# Altium PCB PokeyMain.PcbDoc (part 2 of 3)
Units mm, origin at the board's own origin, x right, y up, seen from the top; angles counter-clockwise.
Board outline 172.97 x 119.13 mm, 2 copper layers (Top Layer, Bottom Layer); 249 components, 225 nets, 876 pads, 516 vias.
Unrouted connection lines stored in the file: 64.
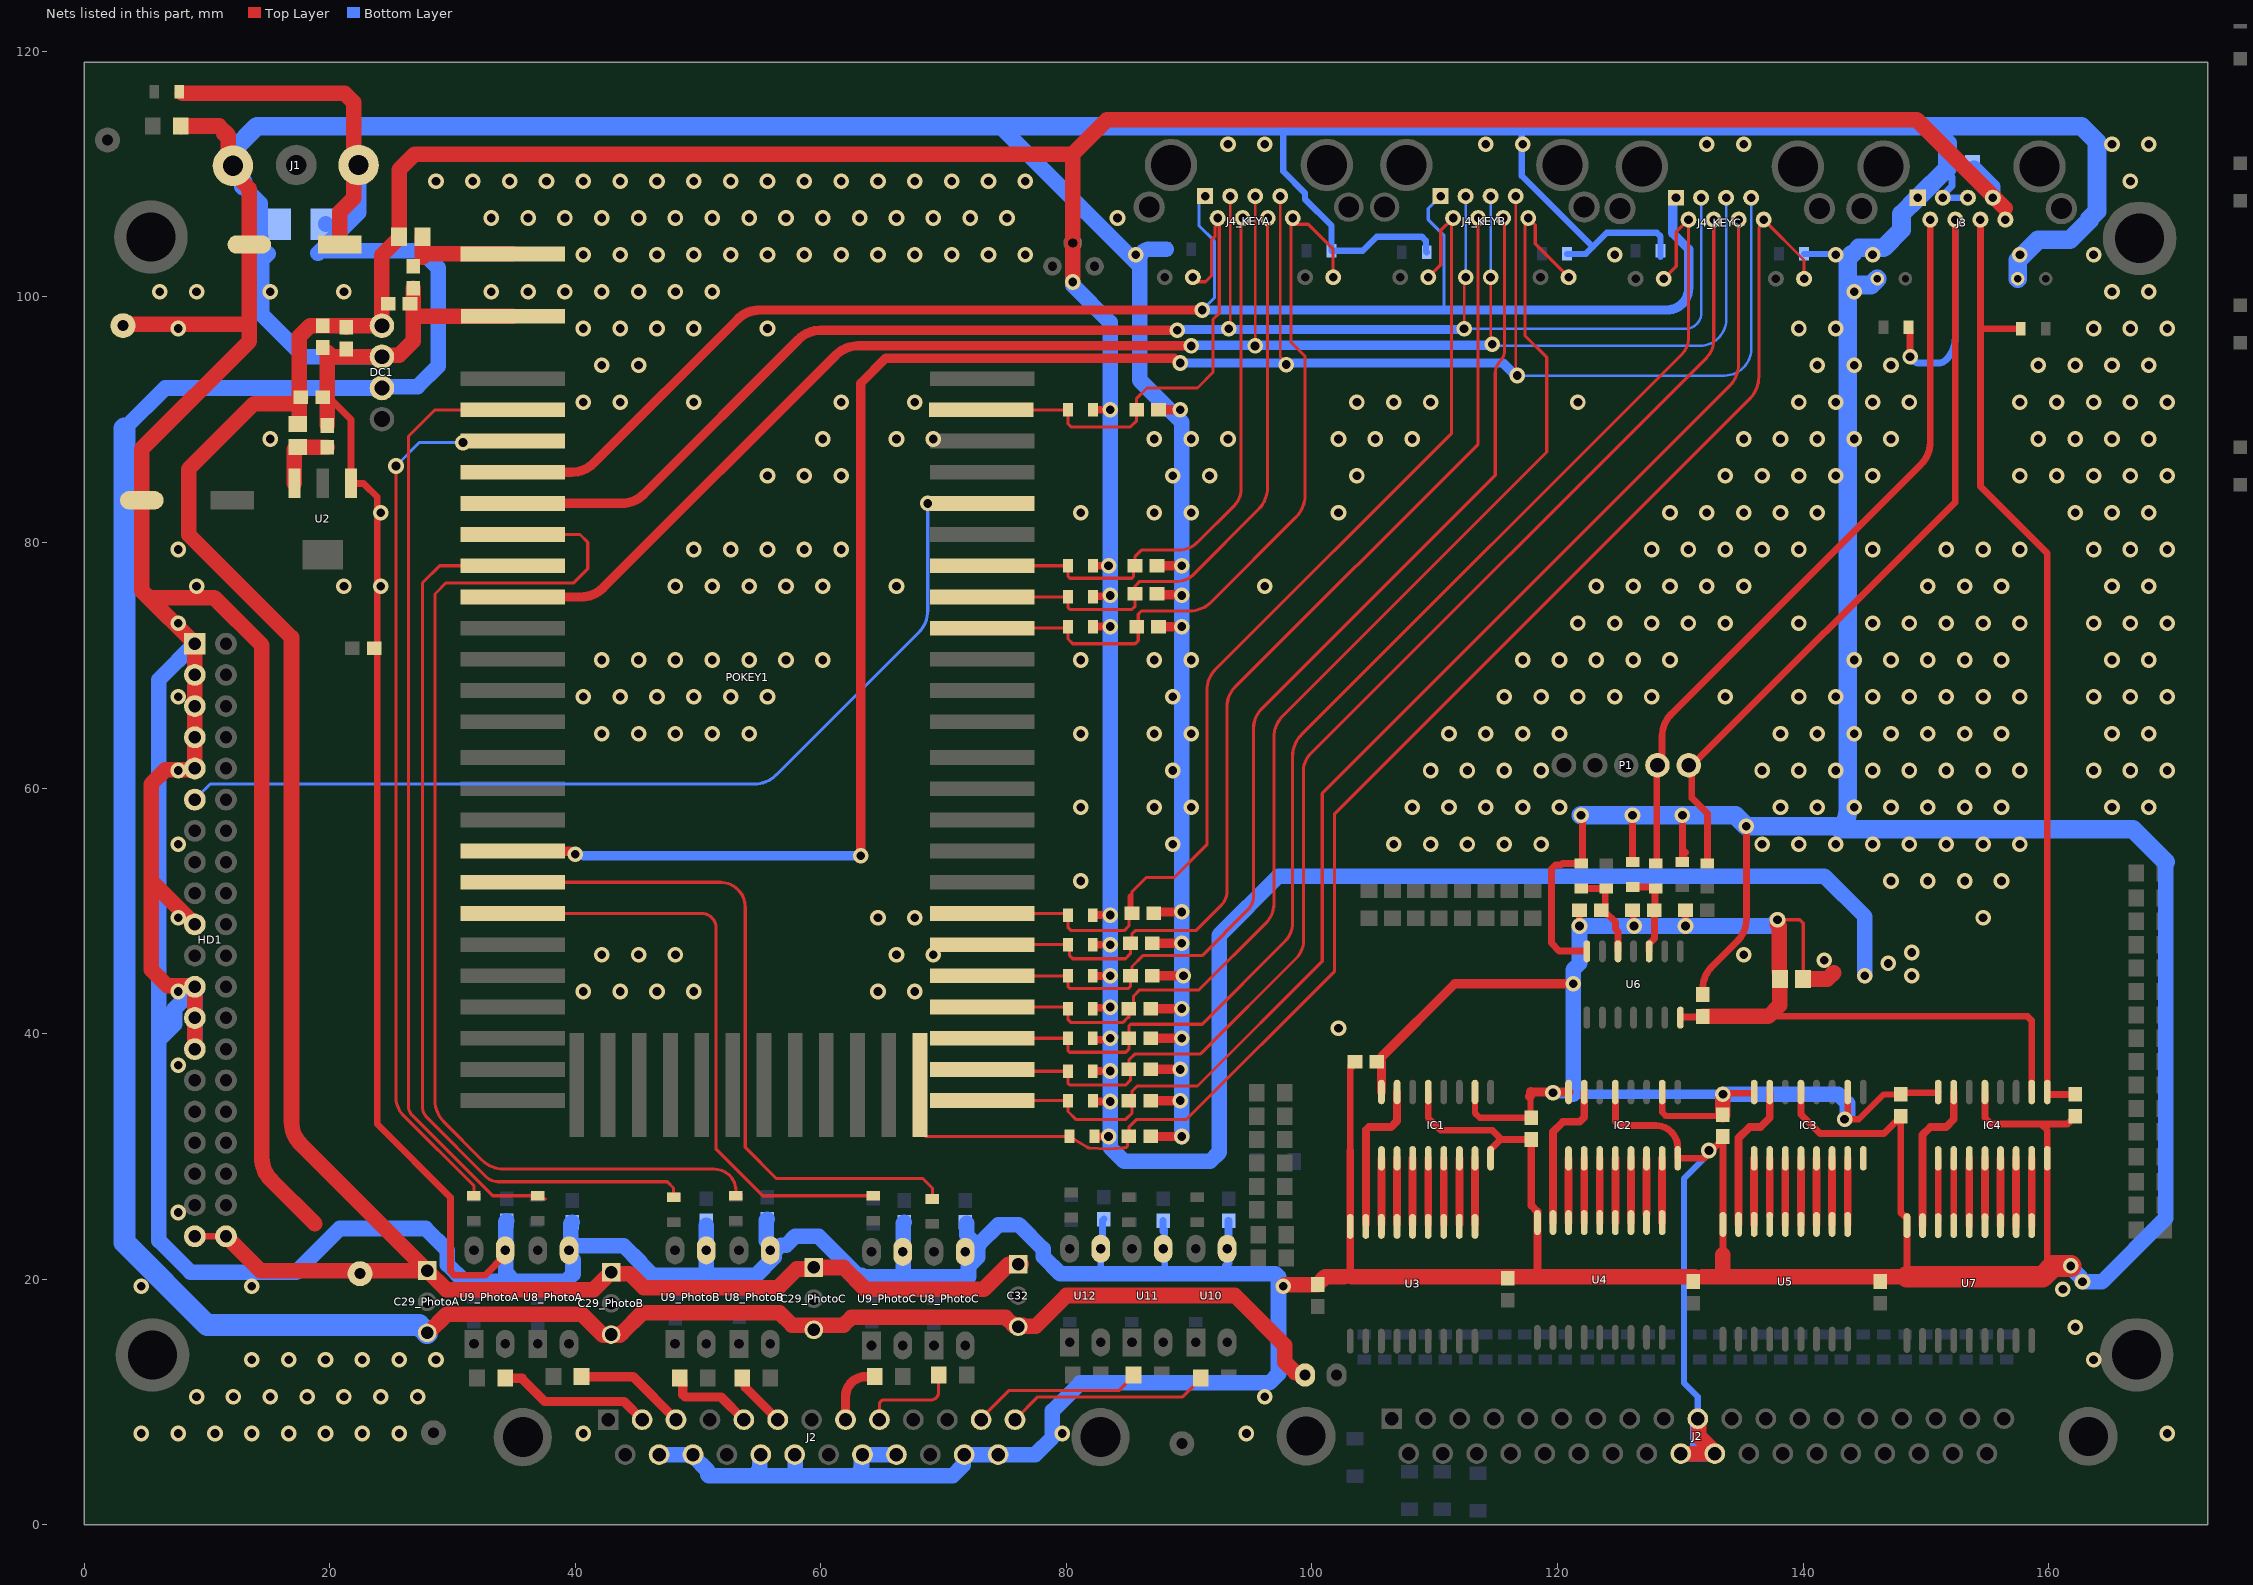
[diagram p2: the nets of this part, all layers, seen from the top]

## Part data
C3 C5: "Polarized Capacitor (Axial)", LatestRevisionDate=17-Jul-2002, LatestRevisionNote="Re-released for DXP Platform.", PackageReference=POLAR0.8, Published=8-Jun-2000, Publisher="Altium Limited"
C11 C12 C13 C14 C30_PhotoA C30_PhotoB C30_PhotoC C31_PhotoA C31_PhotoB C31_PhotoC C33: library part CN
C29_PhotoA C29_PhotoB C29_PhotoC C32: "WR-PHD 2.54 mm Angled Socket Header", Manufacturer="W¨¹rth Elektronik eiSos GmbH", partNo=613003143121, ComponentLink1 Description=Manufacturer, ComponentLink1URL=http://www.we-online.com, ComponentLink2 Description=Datasheet, ComponentLink2URL=http://katalog.we-online.de/em/datasheet/6130xx143121.pdf, Created by="Karrer Zheng", Created Date="29 March 2013", NoPins=03
D1 D2_Led[ D2_Led\ D2_Led] D2_Led^ D2_Led_ D2_Led` D2_LedA D2_LedB D2_LedC D2_LedD D2_LedE D2_LedF D2_LedG D2_LedH D2_LedI D2_LedJ D2_LedK D2_LedL D2_LedM D2_LedN D2_LedO D2_LedP D2_LedQ D2_LedR D2_LedS D2_LedT D2_LedU D2_LedV D2_LedW D2_LedX D2_LedY D2_LedZ: "Default Diode", Code - JEDEC=DO-214-AB, ComponentLink1Description="ES1J - STMBL", ComponentLink1URL=https://banlinhkien.vn/goods-8089-es1j-do214-diode-1a-600v-sma-es1j-.html, Published=8-Jun-2000, Publisher="Altium Limited", Revision="July-2002: Re-released for DXP Platform."
DC1: library part DC_Module_V2
F1 F2 F3: library part Ferrite
HD1: "IDC 13x2"
IC1 IC2 IC3 IC4: library part 74595, "8 Bit Serial input - Parallel Output"
J1: Manufacturer="Würth Elektronik eiSos GmbH", partNo=691103110003, ComponentLink1 Description=Manufacturer, ComponentLink1URL=http://www.we-online.com, ComponentLink2 Description=Datasheet, ComponentLink2URL=http://katalog.we-online.de/em/datasheet/6911031100xx.pdf, Created by="Karrer Zheng", Created Date="29 October 2013", NoPins=3
J2: library part DB25, "Receptacle Assembly, Size 3, 25 Position, Right Angle, .318 Series, Amplimite", PackageDocument=19-Mar-1999, ComponentAvailability=Obsolete, ComponentLink1Description="Manufacturer Link", ComponentLink1URL=http://www.tycoelectronics.com/, DatasheetDocument=19-Mar-1999, DrillSize="Corresponds to nominal value.", Gender=Receptacle, LatestRevisionDate=17-Jul-2002, LatestRevisionNote="Re-released for DXP Platform.", MatingConnector="4-40 Threaded Insert", Orientation="Right Angle", PackageReference=787202-4, PCB_Layout="Complies with manufacturer's recommendation.", Positions=25, Published=15-Jun-2001, Publisher="Altium Limited", ShellSize=3
J3 J4_KEYA J4_KEYB J4_KEYC: library part RJ45_8P8C, "Conn, Rj45 Jack, Shld, 1port, 8p8c, Cat5", Package=None, Availability=Unavailable, MF="WÃ¼rth Elektronik", MP=615008142121, Price=None, SnapEDA_Link=https://www.snapeda.com/parts/615008142121/W%C3%BCrth%20Elektronik/view-part/1118273/?ref=snap
J5: library part "JP 2"
LED1 LED2_PhotoA LED2_PhotoB LED2_PhotoC LED3_PhotoA LED3_PhotoB LED3_PhotoC LED4 LED5 LED6 LED8_Led[ LED8_Led\ LED8_Led] LED8_Led^ LED8_Led_ LED8_Led` LED8_LedA LED8_LedB LED8_LedC LED8_LedD LED8_LedE LED8_LedF LED8_LedG LED8_LedH LED8_LedI LED8_LedJ LED8_LedK LED8_LedL LED8_LedM LED8_LedN LED8_LedO LED8_LedP LED8_LedQ LED8_LedR LED8_LedS LED8_LedT LED8_LedU LED8_LedV LED8_LedW LED8_LedX LED8_LedY LED8_LedZ: library part "LED SMD"
P1: library part Pokey_Jack
R2 R3 R4 R5 R6 R7 R8_KEYA R8_KEYB R8_KEYC R9_KEYA R9_KEYB R9_KEYC R10_KEYA R10_KEYB R10_KEYC R11_KEYA R11_KEYB R11_KEYC R12_PhotoA R12_PhotoB R12_PhotoC R13_PhotoA R13_PhotoB R13_PhotoC R14_PhotoA R14_PhotoB R14_PhotoC R16_PhotoA R16_PhotoB R16_PhotoC R17_PhotoA R17_PhotoB R17_PhotoC R18_PhotoA R18_PhotoB R18_PhotoC R20 R21 R22 R24 R25 R26 R28 R29 R30: library part R
TP0V TP1 TP2 TP3 TP5V: library part TP1, "Test Point"
U2: library part LM1117, "800mA Low-Dropout Linear Regulator", Creator="Nguyen Ba Bien", Website=http://group3i.net
U3 U4 U5 U7: "OCTAL HIGH CURRENT DRIVER", Manufacturer="Texas Instruments", Manufacturer Part Number=ULN2803ADWR, Package / Case="18-SOIC (7.5mm Width)", Supplier Part Number=296-15777-1-ND, Voltage - Supply=5V, Category="Integrated Circuits (ICs)", Number of Drivers/Receivers=8/0, Packaging="Cut Tape (CT)", Protocol=-, RoHS="RoHS Compliant", Supplier=Digi-Key, Supplier 1=Digi-Key, Supplier Part Number 1=296-15777-1-ND, Type="Darlington Array"
U6: "IC, M74HC04M, Hex Inverter, SO-14", Text Field1=ST, Text Field2=M74HC04M1R, Text Field3=Mouser, Text Field4=511-M74HC04M, Text Field5=SO-14, Text Field6=.22
U8_PhotoA U8_PhotoB U8_PhotoC U9_PhotoA U9_PhotoB U9_PhotoC U10 U11 U12: library part PC817, "Single Opto"

## Free pads (board coordinates)
  round 6 hole 4: 2(5.44,104.886) 2(5.567,13.827) 2(167.164,13.843) 2(167.418,104.775)
  round 1.524 hole 0.762: 3(80.518,104.394) 4(82.296,102.489) 5(78.867,102.489)

## Via types
v1: diameter 1.27, hole 0.711, Top Layer to Bottom Layer, tented both sides, 483 vias
v2: diameter 1.27, hole 0.711, Top Layer to Bottom Layer, 33 vias

## Nets (pads, with @x,y where several pads share a name; then routed paths per layer and width w, separated by ;. In a path a pad name is that pad's centre, name@x,y a point inside that pad or via, vN(x,y) a via of type N, cw(c..) or ccw(c..) an arc to the next point about the centre after c; other vN are vias at no path point)
+5: C1.2 C4.2 C6.2 C8.2 C11.2 C12.2 C13.2 C15.1 C20.2 C21.2 C22.2 C23.2 C24.2 C29_PhotoA.1 C29_PhotoB.1 C29_PhotoC.1 C32.1 DC1.3 F1.1 F2.1 F3.1 F3.2 HD1.39 HD1.40 IC1.10 IC1.16 IC2.10 IC2.16 IC3.10 IC3.16 IC4.10 IC4.16 J3.7 J3.8 R8_KEYA.1 R8_KEYB.1 R8_KEYC.1 R9_KEYA.1 R9_KEYB.1 R9_KEYC.1 R10_KEYA.1 R10_KEYB.1 R10_KEYC.1 R11_KEYA.1 R11_KEYB.1 R11_KEYC.1 TP5V.1 U6.14 | length 679.2
  Top Layer w0.254: v1(137.922,49.276) 139.739,49.276 140.015,49 F3.2@140.015,44.45
  Top Layer w0.508: IC1.10@113.284,35.245 113.284,33.528 113.665,33.147 C22.2@117.856,33.147 117.792,33.21 117.792,34.946 117.792,35.115 117.729,35.179 117.819,35.269 117.91,35.179 v1(119.634,35.179) ; IC2.10@128.524,35.245 128.524,33.597 128.822,33.299 133.375,33.299 C20.2@133.477,33.401 ; v1@133.223,35.052 133.319,35.148 135.998,35.148 136.017,35.168 IC3.16@136.017,35.245 ; IC3.10@143.637,35.245 143.637,33.274 v1(143.383,33.02) 144.533,33.02 146.562,35.048 147.951,35.048 C24.2@147.955,35.052 148.082,35.179 150.984,35.179 151.003,35.198 IC4.16@151.003,35.245
  Top Layer w0.559: HD1.39@9.017,23.495 HD1.40@11.557,23.495 ; v1(121.793,48.768) C13.2@121.793,50.038 ; C12.2@126.111,50.038 126.174,49.974 126.174,48.831 v1(126.238,48.768) ; U6.14@130.008,41.303 130.008,41.348 130.013,41.352 C23.2@131.776,41.352 ; v1(130.429,48.768) C11.2@130.429,50.038 ; 137.178,41.402 137.186,41.41 158.288,41.41 158.296,41.402 158.623,41.075 IC4.10@158.623,35.256
  Top Layer w0.635: R9_KEYC.1@82.155,36.935 82.166,36.946 83.555,36.946 v1(83.566,36.957) ; R8_KEYC.1@82.155,39.624 82.155,39.58 82.238,39.497 83.439,39.497 v1(83.566,39.624) ; R11_KEYB.1@82.155,42.037 82.219,42.1 83.502,42.1 v1(83.566,42.164) ; R10_KEYB.1@82.155,44.704 v1(83.566,44.704) ; R9_KEYB.1@82.155,47.244 v1(83.566,47.244) ; R8_KEYB.1@82.155,49.657 v1(83.566,49.657) ; R10_KEYC.1@82.169,34.544 82.242,34.471 v1(83.58,34.471) ; R11_KEYA.1@82.169,73.152 v1(83.566,73.152) ; R10_KEYA.1@82.169,75.565 82.233,75.629 83.502,75.629 v1(83.566,75.692) ; R9_KEYA.1@82.169,78.105 v1(83.439,78.105) ; R8_KEYA.1@82.169,90.805 v1(83.566,90.805) ; R11_KEYC.1@82.296,31.623 v1(83.439,31.623)
  Top Layer w0.762: C21.2@105.502,37.719 105.502,37.888 105.664,38.05 105.664,38.098 111.635,44.069 v1(121.285,44.069) ; IC1.16@105.664,35.245 C21.2@105.664,37.719 ; 117.729,34.882 117.792,34.946 117.819,34.972 117.819,35.269 ; 118.049,35.245 IC2.16@120.904,35.245
  Top Layer w1.27: HD1.40@11.557,23.495 14.351,20.701 C29_PhotoA.1@27.94,20.701 ; F2.1@17.399,89.662 17.499,89.662 17.514,89.677 17.514,89.777 17.526,89.789 C8.2@17.526,91.694 ; C8.2@17.653,91.821 C8.2@17.526,91.694 ; C6.2@21.336,97.536 C6.2@21.336,97.663 ; C32.1@76.329,21.211 75.313,21.211 73.279,19.177 63.627,19.177 61.849,20.955 C29_PhotoC.1@59.436,20.955 59.311,20.83 58.045,20.83 56.519,19.304 45.593,19.304 44.448,20.449 42.801,20.449 41.504,19.152 29.489,19.152 C29_PhotoA.1@27.94,20.701 ; v1(80.518,101.219) 80.518,111.633 ; C23.2@131.826,41.402 137.178,41.402 138.1,42.324 138.1,44.335 138.115,44.35 F3.1@138.115,44.45 138.1,44.465 138.1,44.967 138.049,45.018 138.049,48.768 137.922,48.895 v1(137.922,49.276) ; C20.2@133.477,33.401 v1(133.477,35.052) ; F3.2@140.015,44.45 141.986,44.45 142.494,44.958 ; 156.473,107.208 149.254,114.427 83.312,114.427 80.518,111.633 ; C8.2@17.526,91.694 17.526,96.774 18.415,97.663 C4.2@19.431,97.663 C6.2@21.336,97.663 ; C8.2@17.526,91.694 17.145,91.313 13.843,91.313 8.509,85.979 8.509,80.645 16.891,72.263 16.891,32.802 ccw(c19.431,32.802) 17.635,31.006 C29_PhotoA.1@27.94,20.701 ; C6.2@21.336,97.663 DC1.3@24.257,97.663 24.257,103.405 25.654,104.802 F1.1@25.654,104.902 25.654,110.363 26.924,111.633 80.518,111.633
  Bottom Layer w0.762: v1(119.634,35.179) 119.731,35.082 121.255,35.082 121.285,35.052 v1(133.477,35.052)
  Bottom Layer w1.27: v1(80.518,101.219) 80.518,100.965 83.566,97.917 v1(83.566,90.805) 83.566,78.105 v1(83.566,75.692) v1(83.566,73.152) v1(83.566,49.657) v1(83.566,47.244) v1(83.566,44.704) v1(83.566,42.164) v1@83.566,39.97 ; v1(83.439,31.623) 83.566,31.496 83.566,30.734 84.709,29.591 91.712,29.591 92.456,30.335 92.456,48.006 97.282,52.832 141.732,52.832 145.034,49.53 v1(145.034,44.704) ; v1@83.566,31.623 83.566,34.471 v1(83.566,36.957) v1@83.566,39.278 ; v1(83.566,39.624) 83.566,39.716 v1@83.601,39.751 ; 121.285,35.052 v1(121.285,44.069) 121.285,45.212 121.793,45.72 v1(121.793,48.768) v1(126.238,48.768) v1(130.429,48.768) 137.414,48.768 v1(137.922,49.276) ; v1(133.477,35.052) 142.875,35.052 143.619,34.308 143.619,33.256 v1(143.383,33.02) ; C15.1@153.924,110.49 155.453,108.961 155.453,108.086 J3.7@155.46,108.079
  other v1: 148.844,44.704 146.939,45.72 141.732,45.974 148.844,46.609
+12: C3.1 C29_PhotoA.3 C29_PhotoB.3 C29_PhotoC.3 C32.3 D1.2 DC1.1 J1.1 J5.1 R1.1 | length 254.2
  Top Layer w1.27: R1.1@7.982,116.586 21.219,116.586 21.963,115.842 21.963,108.057 20.828,106.922 C3.1@20.828,104.267 ; C29_PhotoA.3@27.94,15.621 28.008,15.621 29.532,17.145 40.562,17.145 42.272,15.434 43.325,15.434 43.336,15.446 43.609,15.446 43.624,15.43 43.624,15.49 43.754,15.619 43.813,15.619 45.466,17.272 56.642,17.272 57.658,16.256 59.436,16.256 61.862,16.256 62.497,16.891 75.057,16.891 75.692,16.256 C32.3@76.454,16.256 ; C32.3@76.073,16.129 76.121,16.177 77.518,16.177 80.01,18.669 93.726,18.669 97.79,14.605 97.79,13.253 98.652,12.392 99.265,12.392 99.441,12.216 J5.1@99.441,12.192
  Bottom Layer w1.27: 3.302,89.281 6.604,92.583 DC1.1@24.257,92.583 24.368,92.694 27.162,92.694 28.829,94.361 28.829,102.362 27.432,103.759 19.28,103.759 ; 19.05,103.555 22.352,106.857 J1.1@22.352,110.744 ; D1.2@19.685,105.918 D1.2@19.685,105.968
  Bottom Layer w1.778: 3.302,89.281 3.302,22.987 10.031,16.258 27.303,16.258 C29_PhotoA.3@27.94,15.621
A1: POKEY1.3 R13_PhotoA.1 | length 78.4
  Top Layer w0.254: POKEY1.3@34.925,90.805 28.575,90.805 26.416,88.646 26.416,34.104 ccw(c27.5,34.104) 26.734,33.338 33.274,26.797 R13_PhotoA.1@36.957,26.797 ; R13_PhotoA.1@36.957,26.543 37.592,26.543
A2: POKEY1.7 R13_PhotoB.1 | length 91.7
  Top Layer w0.254: POKEY1.7@34.925,80.645 40.386,80.645 41.021,80.01 41.021,77.851 39.878,76.708 29.479,76.708 28.575,75.804 28.575,34.58 ccw(c31.115,34.58) 28.592,34.289 ccw(c31.115,34.58) 29.319,32.784 32.398,29.705 ccw(c34.194,31.501) 33.902,28.978 ccw(c34.194,31.501) 34.194,28.961 51.338,28.961 cw(c51.338,27.208) 52.578,28.448 cw(c51.352,27.222) 53.086,27.222 R13_PhotoB.1@53.086,26.797
A3: POKEY1.18 R13_PhotoC.1 | length 57.1
  Top Layer w0.254: POKEY1.18@34.925,52.324 51.816,52.324 cw(c51.816,50.292) 52.242,52.279 cw(c51.816,50.292) 53.803,50.718 cw(c51.816,50.292) 53.848,50.292 53.848,30.734 56.388,28.194 68.326,28.194 69.088,27.432 R13_PhotoC.1@69.088,26.543
A4: J2.13@75.82,8.555 LED4.2 | length 16.6
  Top Layer w0.254: J2.13@75.82,8.555 77.679,10.414 89.471,10.414 90.932,11.874 LED4.2@90.932,11.938
B1: POKEY1.4 R17_PhotoA.1 | length 68.2
  Top Layer w0.254: v1(25.4,86.233) 25.4,34.798 ccw(c27.441,34.798) 25.997,33.355 ; 25.998,33.355 31.75,27.603 R17_PhotoA.1@31.75,26.797
  Bottom Layer w0.254: v1(25.4,86.233) 27.305,88.138 v1(30.861,88.138)
B2: POKEY1.8 R17_PhotoB.1 | length 74.7
  Top Layer w0.254: POKEY1.8@34.925,78.105 28.956,78.105 27.559,76.708 27.559,34.067 ccw(c28.86,34.067) 27.94,33.147 32.766,28.321 ccw(c33.686,29.241) 33.686,27.94 45.943,27.94 47.498,27.94 48.006,27.432 R17_PhotoB.1@48.006,26.67
B3: POKEY1.19 R17_PhotoC.1 | length 49.6
  Top Layer w0.254: POKEY1.19@34.925,49.784 50.292,49.784 cw(c50.292,48.595) 51.481,48.595 51.481,30.579 52.67,29.391 55.263,26.797 R17_PhotoC.1@64.262,26.797
B4: J2.12@73.059,8.555 LED5.2 | length 14
  Top Layer w0.254: J2.12@73.059,8.555 73.059,8.67 75.311,10.922 84.264,10.922 85.471,12.128 LED5.2@85.471,12.192
COL1: J4_KEYA.1 J4_KEYB.1 J4_KEYC.1 POKEY1.5 | length 131.1
  Top Layer w0.762: POKEY1.5@34.925,85.725 39.715,85.725 ccw(c39.715,88.265) 41.511,86.469 53.231,98.189 cw(c55.027,96.393) 55.027,98.933 v1(91.059,98.933)
  Bottom Layer w0.254: v1(91.059,98.933) 92.075,99.949 92.075,104.521 90.806,105.79 90.805,105.899 cw(c91.836,105.912) 90.805,105.918 90.816,107.725 90.891,107.799 J4_KEYA.1@91.302,108.205 ; 110.744,98.933 110.744,105.029 109.474,106.299 109.474,107.202 J4_KEYB.1@110.478,108.206 110.67,108.014 J4_KEYB.1@110.744,107.94
  Bottom Layer w0.762: v1(91.059,98.933) 110.744,98.933 128.905,98.933 ccw(c128.905,100.711) 130.683,100.711 130.683,103.886 129.382,105.187 129.382,107.808 J4_KEYC.1@129.651,108.077
COL2: J4_KEYA.3 J4_KEYB.3 J4_KEYC.3 POKEY1.6 | length 134.5
  Top Layer w0.203: v1(93.218,97.409) 93.356,97.547 J4_KEYA.3@93.356,108.191 ; J4_KEYA.3@93.342,108.205 J4_KEYA.3@93.356,108.191 ; J4_KEYA.3@93.472,108.075 93.412,108.135 J4_KEYA.3@93.356,108.191 ; v1(112.395,97.409) 112.395,101.475 v1(112.52,101.6)
  Top Layer w0.762: POKEY1.6@34.925,83.185 43.779,83.185 ccw(c43.779,85.725) 45.575,83.929 58.184,96.538 cw(c59.98,94.742) 59.98,97.282 v1(89.027,97.282)
  Bottom Layer w0.203: v1(112.395,97.409) 130.429,97.409 ccw(c130.429,98.683) 131.703,98.683 131.703,108.069 J4_KEYC.3@131.693,108.079 ; J4_KEYB.3@112.518,108.206 112.522,108.2 112.522,101.602 v1(112.52,101.6)
  Bottom Layer w0.762: v1(89.027,97.282) 89.09,97.346 112.331,97.346 v1(112.395,97.409)
COL3: J4_KEYA.5 J4_KEYB.5 J4_KEYC.5 POKEY1.9 | length 161.9
  Top Layer w0.203: v1(95.369,96.012) 95.377,96.02 95.377,108.2 J4_KEYA.5@95.382,108.205 ; v1(114.552,101.6) 114.552,96.268 v1(114.681,96.139)
  Top Layer w0.762: POKEY1.9@34.925,75.565 40.477,75.565 ccw(c40.477,78.105) 42.273,76.309 61.232,95.268 cw(c63.028,93.472) 63.028,96.012 v1(90.17,96.012)
  Bottom Layer w0.203: v1(95.369,96.012) 131.572,96.012 ccw(c131.572,98.183) 133.743,98.183 133.743,98.679 cw(c133.944,98.706) 133.741,98.713 ccw(c131.203,98.806) 133.743,98.806 J4_KEYC.5@133.743,108.079 ; v1(114.552,101.6) 114.554,101.602 114.554,108.204 J4_KEYB.5@114.556,108.206
  Bottom Layer w0.762: v1(90.17,96.012) 90.233,96.075 114.617,96.075 v1(114.681,96.139)
COL4: J4_KEYA.7 J4_KEYB.7 J4_KEYC.7 POKEY1.17 | length 188.1
  Top Layer w0.203: POKEY1.17@34.925,54.864 35.179,54.61 39.868,54.61 v1(40.005,54.61) ; J4_KEYA.7@97.422,108.205 97.409,108.192 97.409,95.14 97.917,94.632 v1(97.917,94.488) ; J4_KEYB.7@116.596,108.206 116.596,93.716 v1(116.713,93.599)
  Top Layer w0.762: POKEY1.17@34.925,54.864 39.614,54.864 v1@39.868,54.61 ; v1(63.246,54.483) 63.246,92.964 65.278,94.996 88.763,94.996 89.144,94.615 v1(89.281,94.615)
  Bottom Layer w0.203: v1(40.005,54.61) 40.132,54.483 40.64,54.483 ; v1(116.713,93.599) 133.604,93.599 ccw(c133.604,95.778) 135.783,95.778 J4_KEYC.7@135.783,108.079
  Bottom Layer w0.762: 40.64,54.483 v1(63.246,54.483) ; v1(89.281,94.615) 115.56,94.615 116.576,93.599 v1(116.713,93.599)
EMG: HD1.11 POKEY1.57 | length 79.6
  Top Layer w0.254: v1(68.707,83.185) POKEY1.57@73.155,83.185
  Bottom Layer w0.254: HD1.11@9.017,59.055 10.287,60.325 54.574,60.325 ccw(c54.574,62.865) 56.37,61.069 67.963,72.662 ccw(c66.167,74.458) 68.707,74.458 v1(68.707,83.185)
GND: C1.1 C2.1 C3.2 C4.1 C5.2 C6.1 C8.1 C9.1 C10.1 C14.1 C15.2 C16.1 C19.2 C20.1 C21.1 C22.1 C23.1 C24.1 C25_KEYA.1 C25_KEYB.1 C25_KEYC.1 C26_KEYA.1 C26_KEYB.1 C26_KEYC.1 C27_KEYA.1 C27_KEYB.1 C27_KEYC.1 C28_KEYA.1 C28_KEYB.1 C28_KEYC.1 C30_PhotoA.1 C30_PhotoB.1 C30_PhotoC.1 C31_PhotoA.1 C31_PhotoB.1 C31_PhotoC.1 C33.1 C34.1 C35.1 C170.1 C180.2 D1.1 DC1.2 HD1.1 HD1.3 HD1.5 HD1.7 HD1.9 HD1.19 HD1.23 HD1.25 HD1.27 IC1.8 IC1.13 IC2.8 IC2.13 IC3.8 IC3.13 IC4.8 IC4.13 J1.3 J2.10@131.428,8.636 J2.15@46.83,5.715 J2.16@49.591,5.715 J2.18@55.113,5.715 J2.19@57.874,5.715 J2.21@63.396,5.715 J2.22@66.157,5.715 J2.24@71.679,5.715 J2.25@74.44,5.715 J2.28 J2.29 J3.1 J3.3 J3.5 J3.L1- J3.L2- LED1.2 POKEY1.1 R5.2 R6.2 R7.2 R23_KEYA.2 R23_KEYB.2 R23_KEYC.2 R27_KEYA.1 R27_KEYB.1 R27_KEYC.1 TP0V.1 U2.1 U3.9 U4.9 U5.9 U6.7 U7.9 U8_PhotoA.3 U8_PhotoB.3 U8_PhotoC.3 U9_PhotoA.3 U9_PhotoB.3 U9_PhotoC.3 U10.3 U11.3 U12.3 | length 1318.6
  Top Layer w0.508: C20.1@133.302,31.242 C20.1@133.477,31.242
  Top Layer w0.559: C8.1@19.812,91.567 20.193,91.567 21.731,90.029 U2.1@21.731,84.815 22.754,84.815 23.876,83.693 23.876,32.639 29.845,26.67 29.845,20.647 30.172,20.32 32.639,20.32 34.29,21.971 U9_PhotoA.3@34.29,22.352 ; 103.124,30.48 103.124,37.121 103.184,37.181 103.184,37.448 103.455,37.719 C21.1@103.505,37.719 ; IC1.13@109.474,35.245 109.474,33.147 110.49,32.131 114.681,32.131 115.443,31.369 ; IC1.8@114.554,29.845 114.554,30.561 115.362,31.369 115.443,31.369 ; C22.1@117.856,31.369 115.443,31.369 ; v1(121.92,57.785) 122.047,57.658 122.047,53.975 R7.2@121.92,53.848 120.396,53.848 120.269,53.721 119.834,53.721 119.507,53.394 119.507,47.371 120.142,46.736 122.384,46.736 122.388,46.732 U6.7@122.388,46.703 ; IC2.13@124.714,34.524 124.714,32.839 125.041,32.512 128.016,32.512 cw(c128.016,30.734) 129.794,30.734 IC2.8@129.794,29.845 131.905,29.845 132.437,30.377 C20.1@133.302,31.242 ; R6.2@126.111,53.975 126.111,54.991 ; 126.111,56.388 126.111,54.991 ; v1(126.111,57.785) 126.111,54.991 ; 130.175,57.023 130.175,54.991 ; C23.1@131.826,43.18 131.826,43.652 cw(c134.366,43.652) 132.57,45.448 134.638,47.516 ccw(c132.842,49.312) 135.382,49.312 v1@135.382,56.642 ; 133.477,21.971 U5.9@133.477,24.463 C20.1@133.477,31.242 ; IC3.13@139.827,35.245 139.827,33.401 141.376,31.852 146.583,31.852 C24.1@147.955,33.224 ; C24.1@147.955,33.471 147.955,25.428 148.287,25.097 148.459,25.097 148.463,25.092 148.463,20.193 ; IC4.13@154.813,35.245 154.813,33.147 155.321,32.639 159.385,32.639 ; 159.893,20.574 IC4.8@159.893,29.845 159.893,32.131 159.385,32.639 ; C14.1@162.179,33.274 162.179,33.224 161.908,32.953 161.858,32.953 161.544,32.639 159.385,32.639 ; 130.175,54.483 130.429,54.229 R5.2@130.175,53.975 130.175,54.483 ; 130.175,54.483 130.175,54.991 ; 130.175,54.483 130.429,54.737 130.175,54.991